# KiCad board first_keyboard.kicad_pcb (continued)
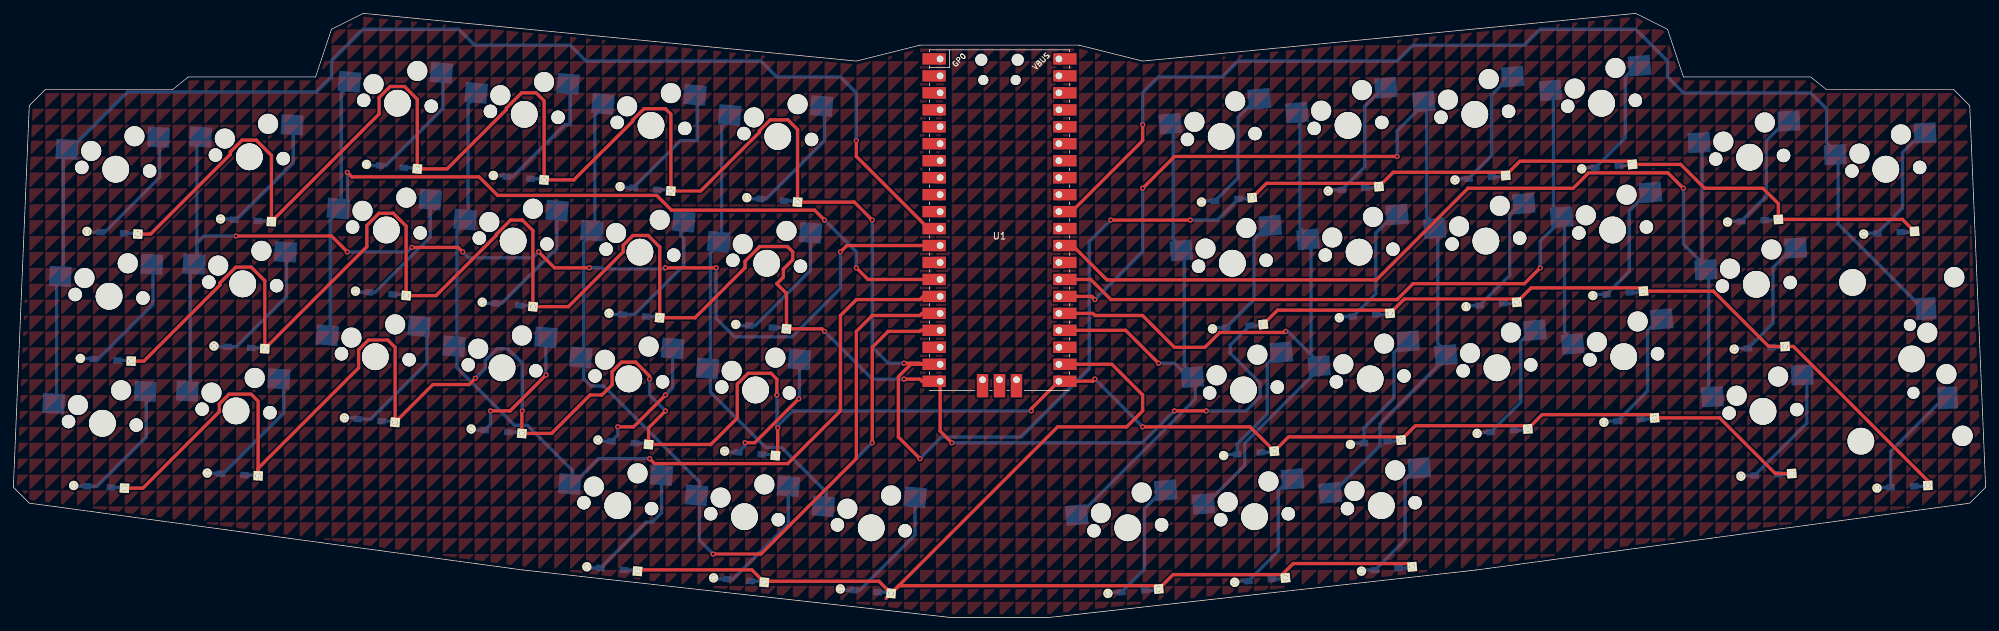
[diagram p0: board, top side]
## Copper pours and planes (outline as drawn; the poured copper is in the pictures) (continued)
(no net) on Top, Bottom: 69.06,140.49 69.06,138.11 71.44,140.49
(no net) on Top, Bottom: 233.36,7.14 233.36,4.76 235.74,7.14
(no net) on Top, Bottom: 159.54,35.72 159.54,33.34 161.93,35.72
(no net) on Top, Bottom: 288.13,-21.43 288.13,-23.81 290.51,-21.43
(no net) on Top, Bottom: 123.83,-21.43 123.83,-23.81 126.21,-21.43
(no net) on Top, Bottom: 30.96,4.76 30.96,2.38 33.34,4.76
(no net) on Top, Bottom: 161.93,7.14 161.93,4.76 164.31,7.14
(no net) on Top, Bottom: 214.31,40.48 214.31,38.1 216.69,40.48
(no net) on Top, Bottom: 216.69,150.02 216.69,147.64 219.07,150.02
(no net) on Top, Bottom: 192.88,11.91 192.88,9.53 195.26,11.91
(no net) on Top, Bottom: 154.78,76.2 154.78,73.82 157.16,76.2
(no net) on Top, Bottom: 109.54,83.34 109.54,80.96 111.92,83.34
(no net) on Top, Bottom: 245.27,145.26 245.27,142.88 247.65,145.26
(no net) on Top, Bottom: 83.34,30.96 83.34,28.57 85.73,30.96
(no net) on Top, Bottom: 197.64,4.76 197.64,2.38 200.02,4.76
(no net) on Top, Bottom: 119.06,95.25 119.06,92.87 121.44,95.25
(no net) on Top, Bottom: 278.61,33.34 278.61,30.96 280.99,33.34
(no net) on Top, Bottom: 90.49,71.44 90.49,69.06 92.87,71.44
(no net) on Top, Bottom: 235.74,30.96 235.74,28.57 238.12,30.96
(no net) on Top, Bottom: 83.34,100.01 83.34,97.63 85.73,100.01
(no net) on Top, Bottom: 38.1,16.67 38.1,14.29 40.48,16.67
(no net) on Top, Bottom: 107.16,14.29 107.16,11.91 109.54,14.29
(no net) on Top, Bottom: 104.77,-35.72 104.77,-38.1 107.16,-35.72
(no net) on Top, Bottom: 209.55,-16.67 209.55,-19.05 211.93,-16.67
(no net) on Top, Bottom: 238.12,16.67 238.12,14.29 240.51,16.67
(no net) on Top, Bottom: 138.11,126.21 138.11,123.83 140.49,126.21
(no net) on Top, Bottom: 61.91,73.82 61.91,71.44 64.29,73.82
(no net) on Top, Bottom: 288.13,133.35 288.13,130.97 290.51,133.35
(no net) on Top, Bottom: 80.96,145.26 80.96,142.88 83.34,145.26
(no net) on Top, Bottom: 292.89,61.91 292.89,59.53 295.27,61.91
(no net) on Top, Bottom: 300.04,95.25 300.04,92.87 302.42,95.25
(no net) on Top, Bottom: 7.14,26.19 7.14,23.81 9.53,26.19
(no net) on Top, Bottom: 257.18,102.39 257.18,100.01 259.56,102.39
(no net) on Top, Bottom: 273.84,19.05 273.84,16.67 276.22,19.05
(no net) on Top, Bottom: 28.58,71.44 28.58,69.06 30.96,71.44
(no net) on Top, Bottom: 109.54,52.39 109.54,50.01 111.92,52.39
(no net) on Top, Bottom: 185.74,135.73 185.74,133.35 188.12,135.73
(no net) on Top, Bottom: 102.39,9.53 102.39,7.14 104.77,9.53
(no net) on Top, Bottom: 257.18,-19.05 257.18,-21.43 259.56,-19.05
(no net) on Top, Bottom: 50.01,-35.72 50.01,-38.1 52.39,-35.72
(no net) on Top, Bottom: 9.53,66.68 9.53,64.29 11.91,66.68
(no net) on Top, Bottom: 126.21,21.43 126.21,19.05 128.59,21.43
(no net) on Top, Bottom: 140.49,-33.34 140.49,-35.72 142.88,-33.34
(no net) on Top, Bottom: 42.86,126.21 42.86,123.83 45.24,126.21
(no net) on Top, Bottom: 214.31,133.35 214.31,130.97 216.69,133.35
(no net) on Top, Bottom: 219.07,-4.76 219.07,-7.14 221.46,-4.76
(no net) on Top, Bottom: 276.22,47.62 276.22,45.24 278.61,47.62
(no net) on Top, Bottom: 173.83,4.76 173.83,2.38 176.21,4.76
(no net) on Top, Bottom: 157.16,-23.81 157.16,-26.19 159.54,-23.81
(no net) on Top, Bottom: 266.7,71.44 266.7,69.06 269.08,71.44
(no net) on Top, Bottom: 142.88,111.92 142.88,109.54 145.26,111.92
(no net) on Top, Bottom: 100.01,92.87 100.01,90.49 102.39,92.87
(no net) on Top, Bottom: 92.87,138.11 92.87,135.73 95.25,138.11
(no net) on Top, Bottom: 116.68,16.67 116.68,14.29 119.06,16.67
(no net) on Top, Bottom: 145.26,-30.96 145.26,-33.34 147.64,-30.96
(no net) on Top, Bottom: 192.88,2.38 192.88,0 195.26,2.38
(no net) on Top, Bottom: 147.64,150.02 147.64,147.64 150.02,150.02
(no net) on Top, Bottom: 88.11,150.02 88.11,147.64 90.49,150.02
(no net) on Top, Bottom: 240.51,21.43 240.51,19.05 242.89,21.43
(no net) on Top, Bottom: 288.13,140.49 288.13,138.11 290.51,140.49
(no net) on Top, Bottom: 257.18,78.58 257.18,76.2 259.56,78.58
(no net) on Top, Bottom: 38.1,140.49 38.1,138.11 40.48,140.49
(no net) on Top, Bottom: 114.3,114.3 114.3,111.92 116.68,114.3
(no net) on Top, Bottom: 7.14,23.81 7.14,21.43 9.53,23.81
(no net) on Top, Bottom: 176.21,64.29 176.21,61.91 178.59,64.29
(no net) on Top, Bottom: 138.11,-21.43 138.11,-23.81 140.49,-21.43
(no net) on Top, Bottom: 200.02,47.62 200.02,45.24 202.41,47.62
(no net) on Top, Bottom: 180.98,114.3 180.98,111.92 183.36,114.3
(no net) on Top, Bottom: 35.72,104.78 35.72,102.39 38.1,104.78
(no net) on Top, Bottom: 197.64,111.92 197.64,109.54 200.02,111.92
(no net) on Top, Bottom: 147.64,9.53 147.64,7.14 150.02,9.53
(no net) on Top, Bottom: 273.84,64.29 273.84,61.91 276.22,64.29
(no net) on Top, Bottom: 183.36,52.39 183.36,50.01 185.74,52.39
(no net) on Top, Bottom: 66.67,100.01 66.67,97.63 69.06,100.01
(no net) on Top, Bottom: 21.43,61.91 21.43,59.53 23.81,61.91
(no net) on Top, Bottom: 288.13,-19.05 288.13,-21.43 290.51,-19.05
(no net) on Top, Bottom: 38.1,128.59 38.1,126.21 40.48,128.59
(no net) on Top, Bottom: 69.06,-16.67 69.06,-19.05 71.44,-16.67
(no net) on Top, Bottom: 214.31,57.15 214.31,54.77 216.69,57.15
(no net) on Top, Bottom: 166.69,83.34 166.69,80.96 169.07,83.34
(no net) on Top, Bottom: 202.41,16.67 202.41,14.29 204.79,16.67
(no net) on Top, Bottom: 135.73,-19.05 135.73,-21.43 138.11,-19.05
(no net) on Top, Bottom: 128.59,73.82 128.59,71.44 130.97,73.82
(no net) on Top, Bottom: 121.44,40.48 121.44,38.1 123.83,40.48
(no net) on Top, Bottom: 114.3,-23.81 114.3,-26.19 116.68,-23.81
(no net) on Top, Bottom: 154.78,-23.81 154.78,-26.19 157.16,-23.81
(no net) on Top, Bottom: 92.87,19.05 92.87,16.67 95.25,19.05
(no net) on Top, Bottom: 14.29,33.34 14.29,30.96 16.67,33.34
(no net) on Top, Bottom: 142.88,-26.19 142.88,-28.57 145.26,-26.19
(no net) on Top, Bottom: 240.51,121.44 240.51,119.06 242.89,121.44
(no net) on Top, Bottom: 169.07,-16.67 169.07,-19.05 171.45,-16.67
(no net) on Top, Bottom: 21.43,-16.67 21.43,-19.05 23.81,-16.67
(no net) on Top, Bottom: 300.04,107.16 300.04,104.78 302.42,107.16
(no net) on Top, Bottom: 285.75,133.35 285.75,130.97 288.13,133.35
(no net) on Top, Bottom: 183.36,57.15 183.36,54.77 185.74,57.15
(no net) on Top, Bottom: 66.67,26.19 66.67,23.81 69.06,26.19
(no net) on Top, Bottom: 123.83,92.87 123.83,90.49 126.21,92.87
(no net) on Top, Bottom: 140.49,-9.53 140.49,-11.91 142.88,-9.53
(no net) on Top, Bottom: 259.56,83.34 259.56,80.96 261.94,83.34
(no net) on Top, Bottom: 183.36,85.72 183.36,83.34 185.74,85.72
(no net) on Top, Bottom: 240.51,33.34 240.51,30.96 242.89,33.34
(no net) on Top, Bottom: 180.98,88.11 180.98,85.72 183.36,88.11
(no net) on Top, Bottom: 19.05,-14.29 19.05,-16.67 21.43,-14.29
(no net) on Top, Bottom: 254.79,19.05 254.79,16.67 257.18,19.05
(no net) on Top, Bottom: 216.69,23.81 216.69,21.43 219.07,23.81
(no net) on Top, Bottom: 173.83,-16.67 173.83,-19.05 176.21,-16.67
(no net) on Top, Bottom: 207.17,73.82 207.17,71.44 209.55,73.82
(no net) on Top, Bottom: 4.76,85.72 4.76,83.34 7.14,85.72
(no net) on Top, Bottom: 200.02,26.19 200.02,23.81 202.41,26.19
(no net) on Top, Bottom: 23.81,-19.05 23.81,-21.43 26.19,-19.05
(no net) on Top, Bottom: 71.44,-35.72 71.44,-38.1 73.82,-35.72
(no net) on Top, Bottom: 230.98,150.02 230.98,147.64 233.36,150.02
(no net) on Top, Bottom: 278.61,73.82 278.61,71.44 280.99,73.82
(no net) on Top, Bottom: 52.39,123.83 52.39,121.44 54.77,123.83
(no net) on Top, Bottom: 78.58,2.38 78.58,0 80.96,2.38
(no net) on Top, Bottom: 290.51,119.06 290.51,116.68 292.89,119.06
(no net) on Top, Bottom: 35.72,-16.67 35.72,-19.05 38.1,-16.67
(no net) on Top, Bottom: 197.64,0 197.64,-2.38 200.02,0
(no net) on Top, Bottom: 250.03,30.96 250.03,28.57 252.41,30.96
(no net) on Top, Bottom: 292.89,135.73 292.89,133.35 295.27,135.73
(no net) on Top, Bottom: 261.94,-11.91 261.94,-14.29 264.32,-11.91
(no net) on Top, Bottom: 300.04,-33.34 300.04,-35.72 302.42,-33.34
(no net) on Top, Bottom: 190.5,-33.34 190.5,-35.72 192.88,-33.34
(no net) on Top, Bottom: 69.06,19.05 69.06,16.67 71.44,19.05
(no net) on Top, Bottom: 254.79,76.2 254.79,73.82 257.18,76.2
(no net) on Top, Bottom: 157.16,142.88 157.16,140.49 159.54,142.88
(no net) on Top, Bottom: 214.31,-16.67 214.31,-19.05 216.69,-16.67
(no net) on Top, Bottom: 140.49,71.44 140.49,69.06 142.88,71.44
(no net) on Top, Bottom: 166.69,-35.72 166.69,-38.1 169.07,-35.72
(no net) on Top, Bottom: 264.32,28.57 264.32,26.19 266.7,28.57
(no net) on Top, Bottom: 292.89,57.15 292.89,54.77 295.27,57.15
(no net) on Top, Bottom: 50.01,119.06 50.01,116.68 52.39,119.06
(no net) on Top, Bottom: 100.01,147.64 100.01,145.26 102.39,147.64
(no net) on Top, Bottom: 271.46,145.26 271.46,142.88 273.84,145.26
(no net) on Top, Bottom: 138.11,40.48 138.11,38.1 140.49,40.48
(no net) on Top, Bottom: 173.83,95.25 173.83,92.87 176.21,95.25
(no net) on Top, Bottom: 202.41,64.29 202.41,61.91 204.79,64.29
(no net) on Top, Bottom: 221.46,4.76 221.46,2.38 223.84,4.76
(no net) on Top, Bottom: 209.55,140.49 209.55,138.11 211.93,140.49
(no net) on Top, Bottom: 57.15,52.39 57.15,50.01 59.53,52.39
(no net) on Top, Bottom: 271.46,7.14 271.46,4.76 273.84,7.14
(no net) on Top, Bottom: 278.61,-33.34 278.61,-35.72 280.99,-33.34
(no net) on Top, Bottom: 78.58,102.39 78.58,100.01 80.96,102.39
(no net) on Top, Bottom: 100.01,140.49 100.01,138.11 102.39,140.49
(no net) on Top, Bottom: 145.26,104.78 145.26,102.39 147.64,104.78
(no net) on Top, Bottom: 154.78,30.96 154.78,28.57 157.16,30.96
(no net) on Top, Bottom: 97.63,135.73 97.63,133.35 100.01,135.73
(no net) on Top, Bottom: 73.82,147.64 73.82,145.26 76.2,147.64
(no net) on Top, Bottom: 83.34,147.64 83.34,145.26 85.73,147.64
(no net) on Top, Bottom: 185.74,26.19 185.74,23.81 188.12,26.19
(no net) on Top, Bottom: 38.1,50.01 38.1,47.62 40.48,50.01
(no net) on Top, Bottom: 133.35,126.21 133.35,123.83 135.73,126.21
(no net) on Top, Bottom: 261.94,66.68 261.94,64.29 264.32,66.68
(no net) on Top, Bottom: 161.93,2.38 161.93,0 164.31,2.38
(no net) on Top, Bottom: 173.83,130.97 173.83,128.59 176.21,130.97
(no net) on Top, Bottom: 114.3,-7.14 114.3,-9.53 116.68,-7.14
(no net) on Top, Bottom: 211.93,-9.53 211.93,-11.91 214.31,-9.53
(no net) on Top, Bottom: 214.31,109.54 214.31,107.16 216.69,109.54
(no net) on Top, Bottom: 95.25,95.25 95.25,92.87 97.63,95.25
(no net) on Top, Bottom: 116.68,135.73 116.68,133.35 119.06,135.73
(no net) on Top, Bottom: 135.73,28.57 135.73,26.19 138.11,28.57
(no net) on Top, Bottom: 173.83,-30.96 173.83,-33.34 176.21,-30.96
(no net) on Top, Bottom: 219.07,97.63 219.07,95.25 221.46,97.63
(no net) on Top, Bottom: 276.22,-35.72 276.22,-38.1 278.61,-35.72
(no net) on Top, Bottom: 252.41,147.64 252.41,145.26 254.79,147.64
(no net) on Top, Bottom: 85.73,59.53 85.73,57.15 88.11,59.53
(no net) on Top, Bottom: 173.83,-38.1 173.83,-40.48 176.21,-38.1
(no net) on Top, Bottom: 166.69,50.01 166.69,47.62 169.07,50.01
(no net) on Top, Bottom: 185.74,-14.29 185.74,-16.67 188.12,-14.29
(no net) on Top, Bottom: 100.01,28.57 100.01,26.19 102.39,28.57
(no net) on Top, Bottom: 209.55,-30.96 209.55,-33.34 211.93,-30.96
(no net) on Top, Bottom: 4.76,83.34 4.76,80.96 7.14,83.34
(no net) on Top, Bottom: 183.36,92.87 183.36,90.49 185.74,92.87
(no net) on Top, Bottom: 83.34,116.68 83.34,114.3 85.73,116.68
(no net) on Top, Bottom: 59.53,85.72 59.53,83.34 61.91,85.72
(no net) on Top, Bottom: 295.27,92.87 295.27,90.49 297.66,92.87
(no net) on Top, Bottom: 88.11,100.01 88.11,97.63 90.49,100.01
(no net) on Top, Bottom: 300.04,85.72 300.04,83.34 302.42,85.72
(no net) on Top, Bottom: 223.84,42.86 223.84,40.48 226.22,42.86
(no net) on Top, Bottom: 283.37,109.54 283.37,107.16 285.75,109.54
(no net) on Top, Bottom: 209.55,7.14 209.55,4.76 211.93,7.14
(no net) on Top, Bottom: 159.54,19.05 159.54,16.67 161.93,19.05
(no net) on Top, Bottom: 233.36,130.97 233.36,128.59 235.74,130.97
(no net) on Top, Bottom: 183.36,147.64 183.36,145.26 185.74,147.64
(no net) on Top, Bottom: 42.86,42.86 42.86,40.48 45.24,42.86
(no net) on Top, Bottom: 278.61,128.59 278.61,126.21 280.99,128.59
(no net) on Top, Bottom: 119.06,64.29 119.06,61.91 121.44,64.29
(no net) on Top, Bottom: 211.93,95.25 211.93,92.87 214.31,95.25
(no net) on Top, Bottom: 83.34,130.97 83.34,128.59 85.73,130.97
(no net) on Top, Bottom: 26.19,-23.81 26.19,-26.19 28.58,-23.81
(no net) on Top, Bottom: 242.89,-26.19 242.89,-28.57 245.27,-26.19
(no net) on Top, Bottom: 50.01,69.06 50.01,66.68 52.39,69.06
(no net) on Top, Bottom: 100.01,-26.19 100.01,-28.57 102.39,-26.19
(no net) on Top, Bottom: 297.66,26.19 297.66,23.81 300.04,26.19
(no net) on Top, Bottom: 185.74,38.1 185.74,35.72 188.12,38.1
(no net) on Top, Bottom: 76.2,2.38 76.2,0 78.58,2.38
(no net) on Top, Bottom: 216.69,102.39 216.69,100.01 219.07,102.39
(no net) on Top, Bottom: 88.11,83.34 88.11,80.96 90.49,83.34
(no net) on Top, Bottom: 114.3,50.01 114.3,47.62 116.68,50.01
(no net) on Top, Bottom: 33.34,30.96 33.34,28.57 35.72,30.96
(no net) on Top, Bottom: 0,19.05 0,16.67 2.38,19.05
(no net) on Top, Bottom: 97.63,-26.19 97.63,-28.57 100.01,-26.19
(no net) on Top, Bottom: 95.25,-33.34 95.25,-35.72 97.63,-33.34
(no net) on Top, Bottom: 126.21,140.49 126.21,138.11 128.59,140.49
(no net) on Top, Bottom: 16.67,95.25 16.67,92.87 19.05,95.25
(no net) on Top, Bottom: 295.27,45.24 295.27,42.86 297.66,45.24
(no net) on Top, Bottom: 2.38,-14.29 2.38,-16.67 4.76,-14.29
(no net) on Top, Bottom: 61.91,-35.72 61.91,-38.1 64.29,-35.72
(no net) on Top, Bottom: 97.63,-14.29 97.63,-16.67 100.01,-14.29
(no net) on Top, Bottom: 59.53,-7.14 59.53,-9.53 61.91,-7.14
(no net) on Top, Bottom: 116.68,76.2 116.68,73.82 119.06,76.2
(no net) on Top, Bottom: 16.67,-26.19 16.67,-28.57 19.05,-26.19
(no net) on Top, Bottom: 161.93,135.73 161.93,133.35 164.31,135.73
(no net) on Top, Bottom: 164.31,40.48 164.31,38.1 166.69,40.48
(no net) on Top, Bottom: 47.62,130.97 47.62,128.59 50.01,130.97
(no net) on Top, Bottom: 121.44,54.77 121.44,52.39 123.83,54.77
(no net) on Top, Bottom: 85.73,-11.91 85.73,-14.29 88.11,-11.91
(no net) on Top, Bottom: 197.64,45.24 197.64,42.86 200.02,45.24
(no net) on Top, Bottom: 250.03,142.88 250.03,140.49 252.41,142.88
(no net) on Top, Bottom: 123.83,85.72 123.83,83.34 126.21,85.72
(no net) on Top, Bottom: 154.78,104.78 154.78,102.39 157.16,104.78
(no net) on Top, Bottom: 154.78,50.01 154.78,47.62 157.16,50.01
(no net) on Top, Bottom: 302.42,61.91 302.42,59.53 304.8,61.91
(no net) on Top, Bottom: 54.77,128.59 54.77,126.21 57.15,128.59
(no net) on Top, Bottom: 16.67,100.01 16.67,97.63 19.05,100.01
(no net) on Top, Bottom: 107.16,83.34 107.16,80.96 109.54,83.34
(no net) on Top, Bottom: 71.44,73.82 71.44,71.44 73.82,73.82
(no net) on Top, Bottom: 126.21,52.39 126.21,50.01 128.59,52.39
(no net) on Top, Bottom: 161.93,111.92 161.93,109.54 164.31,111.92
(no net) on Top, Bottom: 302.42,85.72 302.42,83.34 304.8,85.72
(no net) on Top, Bottom: 271.46,-4.76 271.46,-7.14 273.84,-4.76
(no net) on Top, Bottom: 302.42,-9.53 302.42,-11.91 304.8,-9.53
(no net) on Top, Bottom: 297.66,121.44 297.66,119.06 300.04,121.44
(no net) on Top, Bottom: 245.27,35.72 245.27,33.34 247.65,35.72
(no net) on Top, Bottom: 302.42,-35.72 302.42,-38.1 304.8,-35.72
(no net) on Top, Bottom: 4.76,-35.72 4.76,-38.1 7.14,-35.72
(no net) on Top, Bottom: 202.41,76.2 202.41,73.82 204.79,76.2
(no net) on Top, Bottom: 242.89,4.76 242.89,2.38 245.27,4.76
(no net) on Top, Bottom: 157.16,-14.29 157.16,-16.67 159.54,-14.29
(no net) on Top, Bottom: 221.46,64.29 221.46,61.91 223.84,64.29
(no net) on Top, Bottom: 188.12,59.53 188.12,57.15 190.5,59.53
(no net) on Top, Bottom: 185.74,61.91 185.74,59.53 188.12,61.91
(no net) on Top, Bottom: 30.96,97.63 30.96,95.25 33.34,97.63
(no net) on Top, Bottom: 157.16,-7.14 157.16,-9.53 159.54,-7.14
(no net) on Top, Bottom: 80.96,80.96 80.96,78.58 83.34,80.96
(no net) on Top, Bottom: 195.26,111.92 195.26,109.54 197.64,111.92
(no net) on Top, Bottom: 116.68,95.25 116.68,92.87 119.06,95.25
(no net) on Top, Bottom: 297.66,-7.14 297.66,-9.53 300.04,-7.14
(no net) on Top, Bottom: 219.07,150.02 219.07,147.64 221.46,150.02
(no net) on Top, Bottom: 280.99,30.96 280.99,28.57 283.37,30.96
(no net) on Top, Bottom: 238.12,40.48 238.12,38.1 240.51,40.48
(no net) on Top, Bottom: 164.31,54.77 164.31,52.39 166.69,54.77
(no net) on Top, Bottom: 283.37,83.34 283.37,80.96 285.75,83.34
(no net) on Top, Bottom: 209.55,52.39 209.55,50.01 211.93,52.39
(no net) on Top, Bottom: 128.59,33.34 128.59,30.96 130.97,33.34
(no net) on Top, Bottom: 104.77,130.97 104.77,128.59 107.16,130.97
(no net) on Top, Bottom: 288.13,88.11 288.13,85.72 290.51,88.11
(no net) on Top, Bottom: 47.62,123.83 47.62,121.44 50.01,123.83
(no net) on Top, Bottom: 173.83,11.91 173.83,9.53 176.21,11.91
(no net) on Top, Bottom: 254.79,4.76 254.79,2.38 257.18,4.76
(no net) on Top, Bottom: 264.32,38.1 264.32,35.72 266.7,38.1
(no net) on Top, Bottom: 276.22,-16.67 276.22,-19.05 278.61,-16.67
(no net) on Top, Bottom: 238.12,54.77 238.12,52.39 240.51,54.77
(no net) on Top, Bottom: 0,66.68 0,64.29 2.38,66.68
(no net) on Top, Bottom: 304.8,45.24 304.8,42.86 307.18,45.24
(no net) on Top, Bottom: 59.53,21.43 59.53,19.05 61.91,21.43
(no net) on Top, Bottom: 219.07,83.34 219.07,80.96 221.46,83.34
(no net) on Top, Bottom: 247.65,64.29 247.65,61.91 250.03,64.29
(no net) on Top, Bottom: 64.29,119.06 64.29,116.68 66.67,119.06
(no net) on Top, Bottom: 288.13,19.05 288.13,16.67 290.51,19.05
(no net) on Top, Bottom: 66.67,130.97 66.67,128.59 69.06,130.97
(no net) on Top, Bottom: 259.56,0 259.56,-2.38 261.94,0
(no net) on Top, Bottom: 109.54,130.97 109.54,128.59 111.92,130.97
(no net) on Top, Bottom: 85.73,9.53 85.73,7.14 88.11,9.53
(no net) on Top, Bottom: 57.15,59.53 57.15,57.15 59.53,59.53
(no net) on Top, Bottom: 223.84,116.68 223.84,114.3 226.22,116.68
(no net) on Top, Bottom: 278.61,66.68 278.61,64.29 280.99,66.68
(no net) on Top, Bottom: 100.01,111.92 100.01,109.54 102.39,111.92
(no net) on Top, Bottom: 245.27,28.57 245.27,26.19 247.65,28.57
(no net) on Top, Bottom: 259.56,135.73 259.56,133.35 261.94,135.73
(no net) on Top, Bottom: 80.96,52.39 80.96,50.01 83.34,52.39
(no net) on Top, Bottom: 233.36,76.2 233.36,73.82 235.74,76.2
(no net) on Top, Bottom: 2.38,26.19 2.38,23.81 4.76,26.19
(no net) on Top, Bottom: 135.73,76.2 135.73,73.82 138.11,76.2
(no net) on Top, Bottom: 211.93,92.87 211.93,90.49 214.31,92.87
(no net) on Top, Bottom: 288.13,126.21 288.13,123.83 290.51,126.21
(no net) on Top, Bottom: 107.16,28.57 107.16,26.19 109.54,28.57
(no net) on Top, Bottom: 250.03,40.48 250.03,38.1 252.41,40.48
(no net) on Top, Bottom: 204.79,59.53 204.79,57.15 207.17,59.53
(no net) on Top, Bottom: 123.83,14.29 123.83,11.91 126.21,14.29
(no net) on Top, Bottom: 154.78,83.34 154.78,80.96 157.16,83.34
(no net) on Top, Bottom: 57.15,97.63 57.15,95.25 59.53,97.63
(no net) on Top, Bottom: 14.29,-4.76 14.29,-7.14 16.67,-4.76
(no net) on Top, Bottom: 114.3,7.14 114.3,4.76 116.68,7.14
(no net) on Top, Bottom: 35.72,66.68 35.72,64.29 38.1,66.68
(no net) on Top, Bottom: 185.74,90.49 185.74,88.11 188.12,90.49
(no net) on Top, Bottom: 190.5,71.44 190.5,69.06 192.88,71.44
(no net) on Top, Bottom: 40.48,-7.14 40.48,-9.53 42.86,-7.14
(no net) on Top, Bottom: 0,59.53 0,57.15 2.38,59.53
(no net) on Top, Bottom: 178.59,61.91 178.59,59.53 180.98,61.91
(no net) on Top, Bottom: 59.53,7.14 59.53,4.76 61.91,7.14
(no net) on Top, Bottom: 304.8,123.83 304.8,121.44 307.18,123.83
(no net) on Top, Bottom: 214.31,95.25 214.31,92.87 216.69,95.25
(no net) on Top, Bottom: 195.26,-2.38 195.26,-4.76 197.64,-2.38
(no net) on Top, Bottom: 61.91,23.81 61.91,21.43 64.29,23.81
(no net) on Top, Bottom: 23.81,88.11 23.81,85.72 26.19,88.11
(no net) on Top, Bottom: 197.64,100.01 197.64,97.63 200.02,100.01
(no net) on Top, Bottom: 42.86,92.87 42.86,90.49 45.24,92.87
(no net) on Top, Bottom: 100.01,-9.53 100.01,-11.91 102.39,-9.53
(no net) on Top, Bottom: 302.42,145.26 302.42,142.88 304.8,145.26
(no net) on Top, Bottom: 271.46,95.25 271.46,92.87 273.84,95.25
(no net) on Top, Bottom: 59.53,-19.05 59.53,-21.43 61.91,-19.05
(no net) on Top, Bottom: 66.67,38.1 66.67,35.72 69.06,38.1
(no net) on Top, Bottom: 264.32,0 264.32,-2.38 266.7,0
(no net) on Top, Bottom: 128.59,-21.43 128.59,-23.81 130.97,-21.43
(no net) on Top, Bottom: 266.7,40.48 266.7,38.1 269.08,40.48
(no net) on Top, Bottom: 38.1,71.44 38.1,69.06 40.48,71.44
(no net) on Top, Bottom: 159.54,114.3 159.54,111.92 161.93,114.3
(no net) on Top, Bottom: 4.76,61.91 4.76,59.53 7.14,61.91
(no net) on Top, Bottom: 100.01,38.1 100.01,35.72 102.39,38.1
(no net) on Top, Bottom: 52.39,69.06 52.39,66.68 54.77,69.06
(no net) on Top, Bottom: 169.07,54.77 169.07,52.39 171.45,54.77
(no net) on Top, Bottom: 221.46,119.06 221.46,116.68 223.84,119.06
(no net) on Top, Bottom: 80.96,102.39 80.96,100.01 83.34,102.39
(no net) on Top, Bottom: 247.65,97.63 247.65,95.25 250.03,97.63
(no net) on Top, Bottom: 209.55,97.63 209.55,95.25 211.93,97.63
(no net) on Top, Bottom: 216.69,26.19 216.69,23.81 219.07,26.19
(no net) on Top, Bottom: 223.84,140.49 223.84,138.11 226.22,140.49
(no net) on Top, Bottom: 180.98,109.54 180.98,107.16 183.36,109.54
(no net) on Top, Bottom: 185.74,35.72 185.74,33.34 188.12,35.72
(no net) on Top, Bottom: 250.03,73.82 250.03,71.44 252.41,73.82
(no net) on Top, Bottom: 119.06,61.91 119.06,59.53 121.44,61.91
(no net) on Top, Bottom: 138.11,-16.67 138.11,-19.05 140.49,-16.67
(no net) on Top, Bottom: 292.89,-26.19 292.89,-28.57 295.27,-26.19
(no net) on Top, Bottom: 304.8,54.77 304.8,52.39 307.18,54.77
(no net) on Top, Bottom: 228.6,147.64 228.6,145.26 230.98,147.64
(no net) on Top, Bottom: 52.39,2.38 52.39,0 54.77,2.38
(no net) on Top, Bottom: 183.36,9.53 183.36,7.14 185.74,9.53
(no net) on Top, Bottom: 154.78,4.76 154.78,2.38 157.16,4.76
(no net) on Top, Bottom: 90.49,76.2 90.49,73.82 92.87,76.2
(no net) on Top, Bottom: 150.02,35.72 150.02,33.34 152.4,35.72
(no net) on Top, Bottom: 121.44,64.29 121.44,61.91 123.83,64.29
(no net) on Top, Bottom: 2.38,19.05 2.38,16.67 4.76,19.05
(no net) on Top, Bottom: 269.08,83.34 269.08,80.96 271.46,83.34
(no net) on Top, Bottom: 197.64,-33.34 197.64,-35.72 200.02,-33.34
(no net) on Top, Bottom: 264.32,92.87 264.32,90.49 266.7,92.87
(no net) on Top, Bottom: 107.16,-19.05 107.16,-21.43 109.54,-19.05
(no net) on Top, Bottom: 200.02,-28.57 200.02,-30.96 202.41,-28.57
(no net) on Top, Bottom: 254.79,0 254.79,-2.38 257.18,0
(no net) on Top, Bottom: 154.78,-33.34 154.78,-35.72 157.16,-33.34
(no net) on Top, Bottom: 157.16,92.87 157.16,90.49 159.54,92.87
(no net) on Top, Bottom: 209.55,-21.43 209.55,-23.81 211.93,-21.43
(no net) on Top, Bottom: 233.36,52.39 233.36,50.01 235.74,52.39
(no net) on Top, Bottom: 240.51,-11.91 240.51,-14.29 242.89,-11.91
(no net) on Top, Bottom: 133.35,142.88 133.35,140.49 135.73,142.88
(no net) on Top, Bottom: 292.89,40.48 292.89,38.1 295.27,40.48
(no net) on Top, Bottom: 295.27,64.29 295.27,61.91 297.66,64.29
(no net) on Top, Bottom: 178.59,73.82 178.59,71.44 180.98,73.82
(no net) on Top, Bottom: 42.86,100.01 42.86,97.63 45.24,100.01
(no net) on Top, Bottom: 150.02,126.21 150.02,123.83 152.4,126.21
(no net) on Top, Bottom: 119.06,-23.81 119.06,-26.19 121.44,-23.81
(no net) on Top, Bottom: 247.65,-4.76 247.65,-7.14 250.03,-4.76
(no net) on Top, Bottom: 226.22,85.72 226.22,83.34 228.6,85.72
(no net) on Top, Bottom: 76.2,4.76 76.2,2.38 78.58,4.76
(no net) on Top, Bottom: 200.02,97.63 200.02,95.25 202.41,97.63
(no net) on Top, Bottom: 266.7,-30.96 266.7,-33.34 269.08,-30.96
(no net) on Top, Bottom: 97.63,-16.67 97.63,-19.05 100.01,-16.67
(no net) on Top, Bottom: 130.97,-2.38 130.97,-4.76 133.35,-2.38
(no net) on Top, Bottom: 97.63,150.02 97.63,147.64 100.01,150.02
(no net) on Top, Bottom: 159.54,-16.67 159.54,-19.05 161.93,-16.67
(no net) on Top, Bottom: 247.65,135.73 247.65,133.35 250.03,135.73
(no net) on Top, Bottom: 140.49,-19.05 140.49,-21.43 142.88,-19.05
(no net) on Top, Bottom: 292.89,66.68 292.89,64.29 295.27,66.68
(no net) on Top, Bottom: 247.65,16.67 247.65,14.29 250.03,16.67
(no net) on Top, Bottom: 28.58,121.44 28.58,119.06 30.96,121.44
(no net) on Top, Bottom: 147.64,107.16 147.64,104.78 150.02,107.16
(no net) on Top, Bottom: 238.12,50.01 238.12,47.62 240.51,50.01
(no net) on Top, Bottom: 219.07,59.53 219.07,57.15 221.46,59.53
(no net) on Top, Bottom: 126.21,88.11 126.21,85.72 128.59,88.11
(no net) on Top, Bottom: 214.31,130.97 214.31,128.59 216.69,130.97
(no net) on Top, Bottom: 71.44,116.68 71.44,114.3 73.82,116.68
(no net) on Top, Bottom: 261.94,-28.57 261.94,-30.96 264.32,-28.57
(no net) on Top, Bottom: 214.31,33.34 214.31,30.96 216.69,33.34
(no net) on Top, Bottom: 92.87,119.06 92.87,116.68 95.25,119.06
(no net) on Top, Bottom: 83.34,-16.67 83.34,-19.05 85.73,-16.67
(no net) on Top, Bottom: 242.89,135.73 242.89,133.35 245.27,135.73
(no net) on Top, Bottom: 152.4,2.38 152.4,0 154.78,2.38
(no net) on Top, Bottom: 266.7,-11.91 266.7,-14.29 269.08,-11.91
(no net) on Top, Bottom: 111.92,114.3 111.92,111.92 114.3,114.3
(no net) on Top, Bottom: 102.39,11.91 102.39,9.53 104.77,11.91
(no net) on Top, Bottom: 161.93,-11.91 161.93,-14.29 164.31,-11.91